# Altium PCB PS-010 Main.PcbDoc (part 2 of 2) (continued)
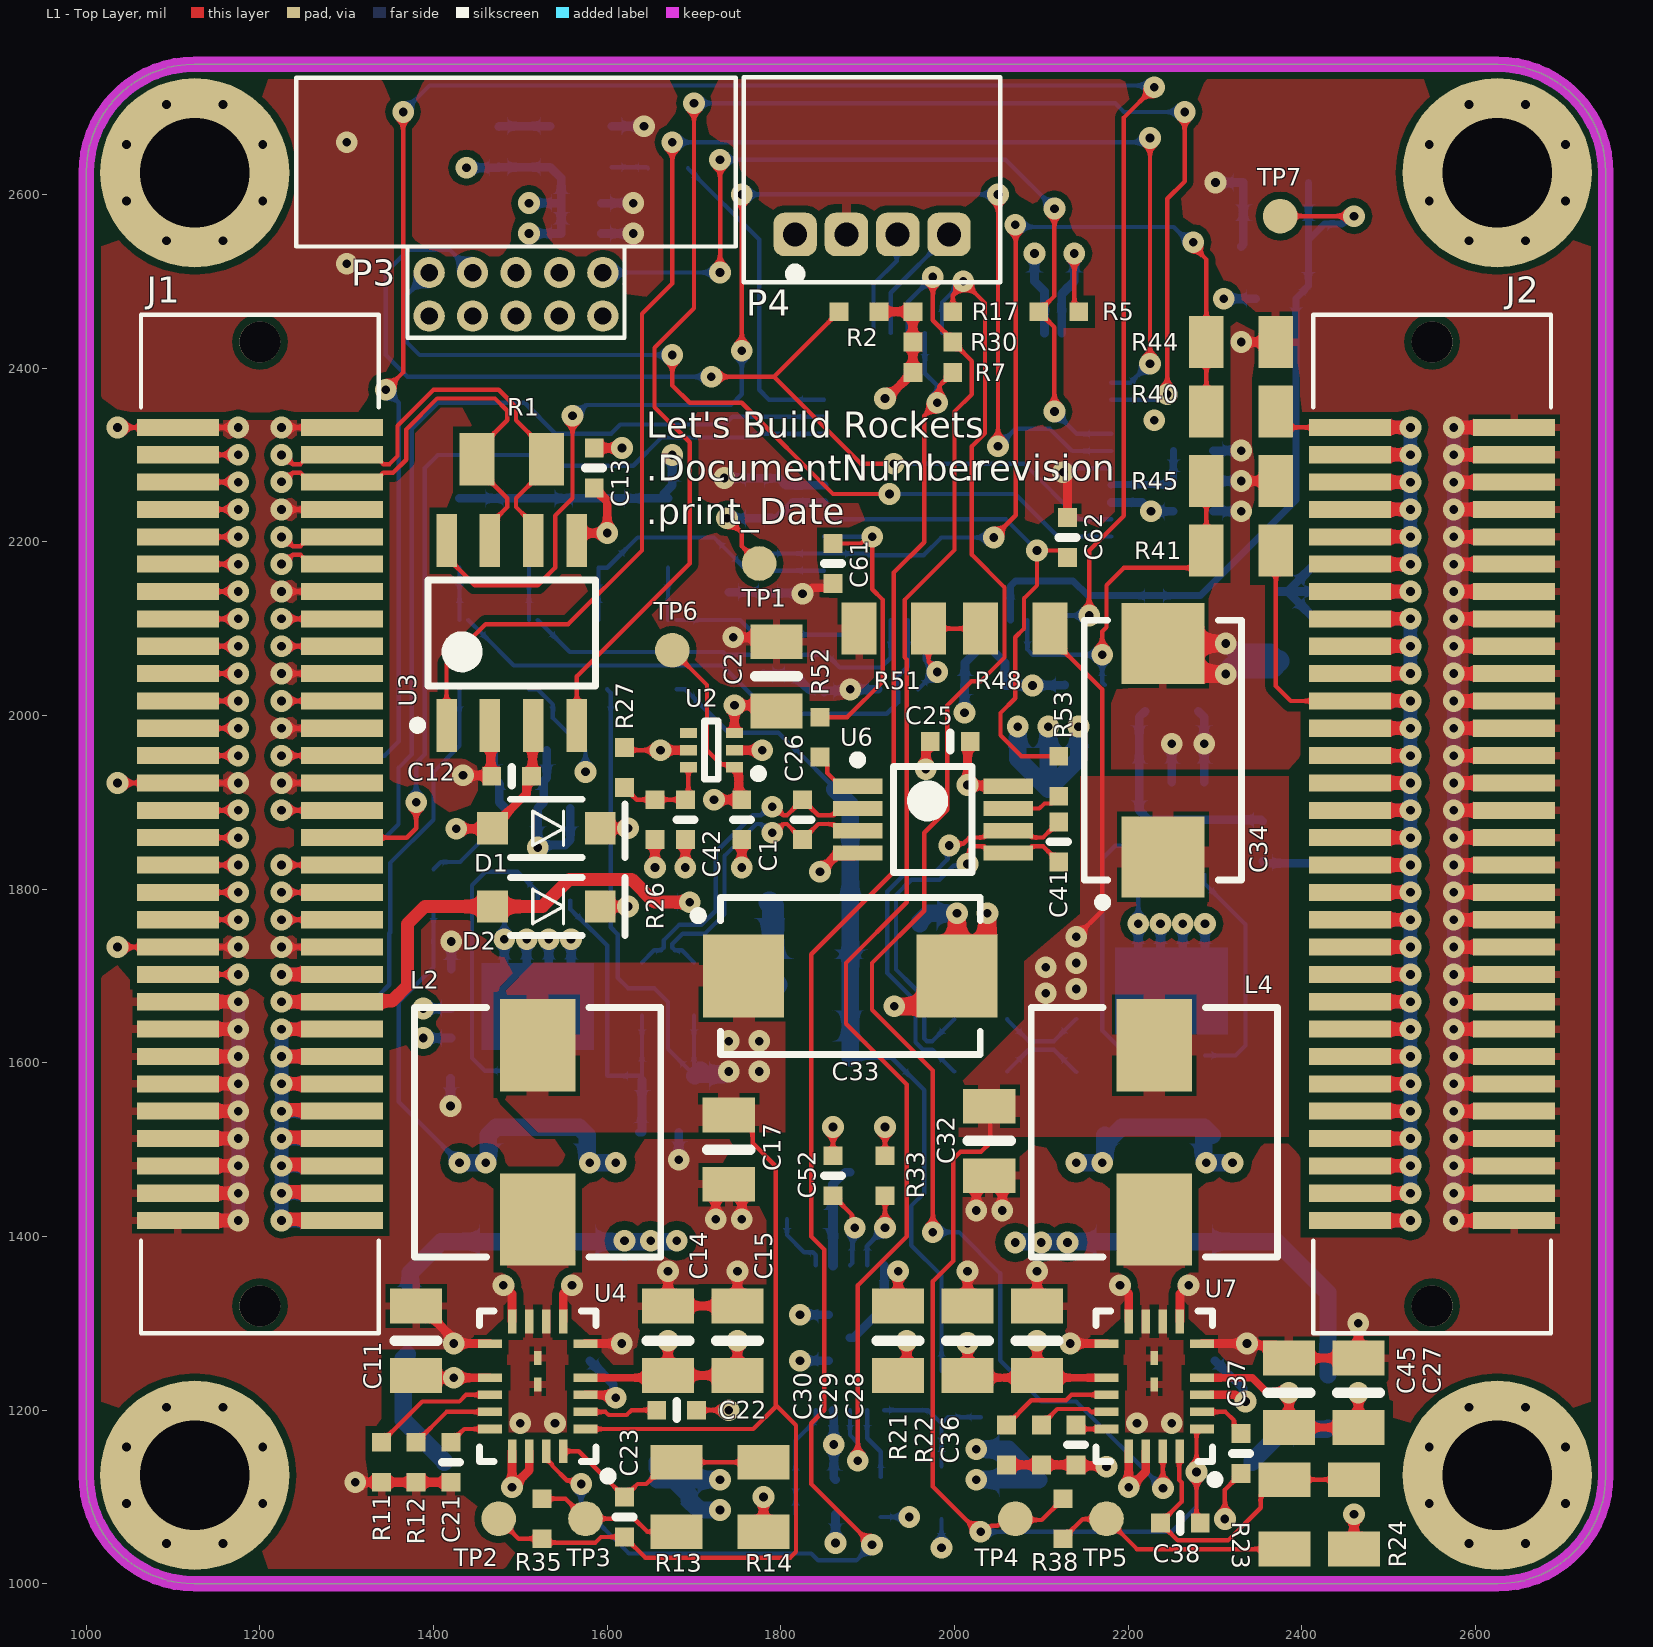
[diagram p0: L1 - Top Layer view]
## Nets (pads, with @x,y where several pads share a name; then routed paths per layer and width w, separated by ;. In a path a pad name is that pad's centre, name@x,y a point inside that pad or via, vN(x,y) a via of type N, cw(c..) or ccw(c..) an arc to the next point about the centre after c; other vN are vias at no path point) (continued)
  L1 - Top Layer w20: v1(1930.67,1665) C33.2@1967.83,1665 ; v1(2002.83,1772.17) C33.2@2002.83,1700 2037.83,1735 v1(2037.83,1772.17) ; v1(2312.17,2047.83) 2275,2047.83 C34.2@2240,2082.83 v1(2312.17,2082.83)
  L4 - Bottom Layer w5: C53.1@1915,1077 v1(1948,1077) ; v1(1985,1041.49) R28.1@1985,1074.49 ; v1(2125,2280) 2130.41,2280 2135.25,2284.84 U1.42@2180.35,2284.84
  L4 - Bottom Layer w10: v1(1419.49,1550.21) C20.2@1419.49,1582.21 ; C19.1@1420.51,1707.79 v1(1420.51,1739.79) ; R42.2@1430,2250 R43.2@1510,2250 R50.2@1590,2250 R49.2@1670,2250 1665,2255 1675,2265 v1(1675,2300) ; C24.1@1530.51,1960 1530.51,1928.27 1526.81,1924.57 1526.81,1899.96 U5.2@1520,1893.15 v1(1520,1848) 1522.87,1850.87 1551.54,1850.87 1557.4,1856.73 U5.3@1557.4,1893.15 ; C5.1@1593,2555 v1(1630,2555) ; C6.1@1593,2590 v1(1630,2590) ; X1.2@1605.43,2678.62 v1(1642.43,2678.62) ; v1(1682.49,1488.21) C18.2@1682.49,1520.21 ; v1(1734.8,2273.47) C3.1@1766.8,2273.47 ; C58.1@1740,2142 C55.1@1785,2142 1786,2141 1824,2141 v1(1825,2140) ; v1(1750,1360) 1750,1330 C49.2@1760,1320 ; C3.1@1770,2273 1797.74,2273 1805.59,2265.16 U1.18@1849.65,2265.16 ; C48.1@1780,2048 1780.5,2047.5 1814.5,2047.5 C57.1@1815,2047 1832.53,2029.47 1847.53,2029.47 C54.1@1850,2027 1851.5,2028.5 1878.5,2028.5 v1(1880,2030) C59.1@1912,2030 ; v1(1822,1256.89) U10.11@1855,1256.89 ; v1(1822,1310) U10.11@1855,1310 ; v1(1863,1047) R34.1@1863,1080 ; U10.11@1879.69,1283.44 1883.62,1283.44 1919.06,1318.88 U10.5@1919.06,1366.89 ; U1.5@2044.53,2109.65 2044.87,2109.3 2044.87,2073.95 2058,2060.83 C4.1@2058,2035 ; C4.1@2057.79,2034.49 v1(2089.79,2034.49) 2090.05,2034.74 2126.74,2034.74 C56.1@2127,2035 ; v1(2092,2532) C9.1@2092,2500 2103.58,2488.42 U1.35@2103.58,2440.35 ; U8.2@2250,1923.15 v1(2250,1967.4) ; C39.1@2280.51,2005 2287.4,1998.11 v1(2287.4,1967.4) U8.3@2287.4,1923.15 ; C10.1@2298,2235 v1(2330,2235) ; C8.1@2298,2270 v1(2330,2270) ; C7.1@2298,2305 v1(2330,2305) ; v1(2300.6,2613.66) U9.A@2332.6,2613.66 2332.6,2542.6 C40.1@2330,2540
  L4 - Bottom Layer w15: P1.59@1113.39,1418.31 v1(1175,1418.31) v1(1175,1449.8) ; P1.57@1113.39,1449.8 v1(1175,1449.8) ; P1.55@1113.39,1481.3 v1(1175,1481.3) ; P1.53@1113.39,1512.8 v1(1175,1512.8) ; P1.51@1113.39,1544.29 v1(1175,1544.29) ; P1.49@1113.39,1575.79 v1(1175,1575.79) ; P1.47@1113.39,1607.28 v1(1175,1607.28) ; P1.45@1113.39,1638.78 v1(1175,1638.78) ; P1.43@1113.39,1670.28 v1(1175,1670.28) v1(1175,1638.78) ; P2.60@2636.61,1418.31 v1(2575,1418.31) v1(2575,1449.8) ; P2.58@2636.61,1449.8 v1(2575,1449.8) ; P2.56@2636.61,1481.3 v1(2575,1481.3) ; P2.54@2636.61,1512.8 v1(2575,1512.8) ; P2.52@2636.61,1544.29 v1(2575,1544.29) ; P2.50@2636.61,1575.79 v1(2575,1575.79) ; P2.48@2636.61,1607.28 v1(2575,1607.28) ; P2.46@2636.61,1638.78 v1(2575,1638.78) ; P2.44@2636.61,1670.28 v1(2575,1670.28) ; P2.42@2636.61,1701.77 v1(2575,1701.77) ; P2.40@2636.61,1733.27 v1(2575,1733.27) ; P2.38@2636.61,1764.76 v1(2575,1764.76) ; P2.36@2636.61,1796.26 v1(2575,1796.26) ; P2.34@2636.61,1827.76 v1(2575,1827.76) ; P2.32@2636.61,1859.25 v1(2575,1859.25) ; P2.30@2636.61,1890.75 v1(2575,1890.75) ; P2.28@2636.61,1922.24 v1(2575,1922.24) ; P2.26@2636.61,1953.74 v1(2575,1953.74) ; P2.24@2636.61,1985.24 v1(2575,1985.24) ; P2.22@2636.61,2016.73 v1(2575,2016.73) ; P2.20@2636.61,2048.23 v1(2575,2048.23) ; P2.18@2636.61,2079.72 v1(2575,2079.72) ; P2.16@2636.61,2111.22 v1(2575,2111.22) ; P2.14@2636.61,2142.72 v1(2575,2142.72) ; P2.12@2636.61,2174.21 v1(2575,2174.21) ; P2.10@2636.61,2205.71 v1(2575,2205.71) ; P2.8@2636.61,2237.2 v1(2575,2237.2) ; P2.6@2636.61,2268.7 v1(2575,2268.7) ; P2.4@2636.61,2300.2 v1(2575,2300.2) ; P2.2@2636.61,2331.69 v1(2575,2331.69) v1(2575,2300.2) ; v1(1175,1449.8) v1(1175,1481.3) ; v1(1175,1481.3) v1(1175,1512.8) ; v1(1175,1512.8) v1(1175,1544.29) ; v1(1175,1544.29) v1(1175,1575.79) ; v1(1175,1575.79) v1(1175,1607.28) ; v1(1175,1607.28) v1(1175,1638.78) ; v1(2575,1449.8) v1(2575,1481.3) ; v1(2575,1481.3) v1(2575,1512.8) ; v1(2575,1512.8) v1(2575,1544.29) ; v1(2575,1544.29) v1(2575,1575.79) ; v1(2575,1575.79) v1(2575,1607.28) ; v1(2575,1607.28) v1(2575,1638.78) ; v1(2575,1638.78) v1(2575,1670.28) ; v1(2575,1670.28) v1(2575,1701.77) ; v1(2575,1701.77) v1(2575,1733.27) ; v1(2575,1733.27) v1(2575,1764.76) ; v1(2575,1764.76) v1(2575,1796.26) ; v1(2575,1796.26) v1(2575,1827.76) ; v1(2575,1827.76) v1(2575,1859.25) ; v1(2575,1859.25) v1(2575,1890.75) ; v1(2575,1890.75) v1(2575,1922.24) ; v1(2575,1922.24) v1(2575,1953.74) ; v1(2575,1953.74) v1(2575,1985.24) ; v1(2575,1985.24) v1(2575,2016.73) ; v1(2575,2016.73) v1(2575,2048.23) ; v1(2575,2048.23) v1(2575,2079.72) ; v1(2575,2079.72) v1(2575,2111.22) ; v1(2575,2111.22) v1(2575,2142.72) ; v1(2575,2142.72) v1(2575,2174.21) ; v1(2575,2174.21) v1(2575,2205.71) ; v1(2575,2205.71) v1(2575,2237.2) ; v1(2575,2237.2) v1(2575,2268.7) ; v1(2575,2268.7) v1(2575,2300.2)
  L4 - Bottom Layer w20: C43.2@1657.83,1120 v1(1730,1120) ; C43.2@1657.83,1140 1657.83,1133.37 1664.52,1126.68 1669.97,1126.68 1694.49,1102.17 1694.49,1096.72 1706.2,1085 v1(1730,1085) ; C51.2@1960,1760 1960,1762.17 1970,1772.17 v1(2002.83,1772.17) ; v1(2025,1120) 2097.17,1120 2062.17,1155 v1(2025,1155) ; v1(2072.83,1987.17) 2072.83,1950 C35.2@2107.83,1915 ; v1(2107.83,1987.17) C35.2@2107.83,1915 ; v1(2142.83,1987.17) 2142.83,1950 C35.2@2107.83,1915 ; v1(2312.17,2082.83) 2313.52,2082.83 2323.64,2072.72 2363.39,2072.72 C47.2@2373.39,2062.72
  L4 - Bottom Layer w25: v1(2312.17,2047.83) 2319.55,2055.22 2365.89,2055.22 C47.2@2373.39,2062.72
  other v1: 2230,2340 1300,2520 1300,2660
I2C_SCL: J1.18 P1.18 | length 131.1
  L1 - Top Layer w5: v1(1225,2079.72) J1.18@1294.49,2079.72
  L4 - Bottom Layer w5: v1(1225,2079.72) P1.18@1286.61,2079.72
I2C_SDA: J1.16 P1.16 | length 131.1
  L1 - Top Layer w5: v1(1225,2111.22) J1.16@1294.49,2111.22
  L4 - Bottom Layer w5: v1(1225,2111.22) P1.16@1286.61,2111.22
NetC16_1: C16.1 U4.3 | length 91.3
  L1 - Top Layer w10: U4.3@1575.12,1217.68 1575.2,1217.6 1602.7,1217.6 1605.94,1214.36 v1(1610,1214.36)
  L4 - Bottom Layer w10: C16.1@1580,1257 1607.13,1229.87 1607.13,1217.23 v1(1610,1214.36)
NetC16_2: C16.2 L2.1 U4.8 U4.9 U4.21 U4.22
  other v1: 1500,1185 1540,1185
NetC18_1: C18.1 Q1.S R8.2 R10.2 U5.4 | length 392.2
  L4 - Bottom Layer w5: U5.4@1557.4,1786.85 1557.4,1777.01 1566.71,1767.7 1567.3,1767.7 1600,1735 1600,1585.28 1600.28,1585 R8.2@1640,1585 R10.2@1640,1654.49
  L4 - Bottom Layer w10: C18.1@1637,1520 1640,1520 R8.2@1640,1580
NetC21_2: C21.2 U4.16 | length 51.2
  L1 - Top Layer w5: C21.2@1420,1163 1435.31,1178.31 U4.16@1464.88,1178.31
NetC22_2: C22.2 U4.2 | length 85.7
  L1 - Top Layer w5: U4.2@1575.12,1197.99 1598.09,1197.99 1601.72,1194.36 1622.38,1194.36 1628.01,1200 C22.2@1657,1200
NetC24_2: C24.2 R15.1 U5.1 | length 189.7
  L4 - Bottom Layer w5: R15.1@1400,1823 1408.33,1831.33 1430.62,1831.33 1482.6,1883.31 U5.1@1482.6,1893.15
  L4 - Bottom Layer w10: C24.2@1469.49,1960 1469.49,1928.27 1475.79,1921.97 1475.79,1899.96 U5.1@1482.6,1893.15
NetC31_1: C31.1 U7.3 | length 104.6
  L1 - Top Layer w10: U7.3@2295.12,1217.68 2323.26,1217.68 2330.94,1210 v1(2335,1210)
  L4 - Bottom Layer w10: C31.1@2300,1257 2332.13,1224.87 2332.13,1212.87 v1(2335,1210)
NetC31_2: C31.2 L4.1 U7.8 U7.9 U7.21 U7.22
  other v1: 2210,1185 2250,1185
NetC36_2: C36.2 U7.16 | length 36.8
  L1 - Top Layer w5: C36.2@2140,1183 2144.69,1178.31 U7.16@2174.88,1178.31
NetC37_2: C37.2 U7.2 | length 49.3
  L1 - Top Layer w5: U7.2@2295.12,1197.99 2312.01,1197.99 2321.67,1188.33 2321.67,1181.33 C37.2@2330,1173
NetC39_2: C39.2 R25.1 U8.1 | length 264.8
  L4 - Bottom Layer w10: C39.2@2219.49,2005 2212.6,1998.11 2212.6,1890.81 2223.4,1880 2353,1880 R25.1@2355,1878
NetC42_1: C42.1 R26.1 R27.2 U2.6 | length 114.5
  L1 - Top Layer w5: R27.2@1620,1917 1634,1903 R26.1@1655,1903 C42.1@1690,1903 1693.43,1906.43 U2.6@1693.43,1940.32
NetC43_1: C43.1 R6.1 | length 146.1
  L4 - Bottom Layer w20: R6.1@1370,1264.49 1365,1259.49 1365,1188.35 1412.17,1141.18 C43.1@1412.17,1140
NetC44_1: C44.1 R29.1 | length 104.2
  L4 - Bottom Layer w20: C44.1@2342.83,1140 2342.83,1141.18 2379.49,1177.83 2428.35,1177.83 R29.1@2430,1179.49
NetC50_1: C50.1 U10.1 | length 72.8
  L4 - Bottom Layer w5: C50.1@1807,1420 1807,1401.67 1826.78,1381.89 1836.81,1381.89 1840.32,1378.39 U10.1@1840.32,1366.89
NetC50_2: C50.2 L5.1 U10.2 | length 118.8
  L4 - Bottom Layer w10: L5.1@1860,1459.76 1874.29,1474.06 L5.1@1880,1474.06
  L4 - Bottom Layer w12: U10.2@1860,1366.89 L5.1@1860,1459.76
NetC52_2: C52.2 U10.3 | length 92.7
  L1 - Top Layer w5: C52.2@1860,1447 1881.86,1425.14 1881.86,1413.14 v1(1885,1410)
  L4 - Bottom Layer w5: U10.3@1879.69,1366.89 1882.34,1369.55 1882.34,1407.34 v1(1885,1410)
NetC53_2: C53.2 U10.7 | length 83.5
  L4 - Bottom Layer w5: U10.7@1899.37,1200 1899.37,1167.73 1915,1152.1 C53.2@1915,1123
NetQ1_G: Q1.G U5.5 | length 343.7
  L4 - Bottom Layer w5: Q1.G@1481.61,1590.79 1459.21,1590.79 1444.39,1605.61 1444.39,1804.39 1460,1820 1496.69,1820 1520,1796.69 U5.5@1520,1786.85
NetQ2_G: Q2.G U8.5 | length 359.8
  L4 - Bottom Layer w5: Q2.G@2211.61,1608.5 2211.61,1613.23 2205.85,1619 2188.11,1619 2170,1637.11 2170,1835 2185,1850 2226.69,1850 2250,1826.69 U8.5@2250,1816.85
NetQ2_S: Q2.S R18.2 R20.2 U8.4 | length 368.4
  L4 - Bottom Layer w5: R20.2@2060.51,1590 2085.51,1615 2114.49,1615 R18.2@2140,1589.49 ; U8.4@2287.4,1816.85 2287.4,1807.01 2335,1759.41 2335,1620 2323.5,1608.5 Q2.S@2288.39,1608.5
NetR3_1: R3.1 X1.3 | length 42.1
  L4 - Bottom Layer w5: X1.3@1605.43,2631.38 1645.62,2631.38 R3.1@1647,2630
NetR4_1: R4.1 X1.1 | length 59.8
  L4 - Bottom Layer w10: R4.1@1475,2678 1475.62,2678.62 X1.1@1534.57,2678.62
NetR12_2: R12.2 U4.15 | length 99.4
  L1 - Top Layer w5: R12.2@1380,1163 1414.99,1197.99 U4.15@1464.88,1197.99
NetR13_2: R13.2 R35.1 TP3.1 | length 190.7
  L1 - Top Layer w5: R35.1@1525,1098 1552,1098 TP3.1@1575,1075 1631.26,1075 1646.26,1060 R13.2@1700,1060
NetR22_2: R22.2 U7.15 | length 93.9
  L1 - Top Layer w5: R22.2@2100,1183 2118.33,1201.33 2153.93,1201.33 2157.27,1197.99 U7.15@2184.88,1197.99
NetR23_2: R23.2 R38.1 TP5.1 | length 279
  L1 - Top Layer w5: R38.1@2125,1052 2147.5,1074.5 2174.5,1074.5 TP5.1@2175,1075 2210,1040 R23.2@2380,1040
NetR33_2: R33.2 U10.4 | length 78.7
  L1 - Top Layer w5: v1(1920,1410) R33.2@1920,1437
  L4 - Bottom Layer w5: U10.4@1899.37,1366.89 1899.37,1389.37 v1(1920,1410)
NetR52_2: R52.2 U6.1 | length 63.1
  L1 - Top Layer w5: R52.2@1845,1952 1853.33,1943.67 1853.33,1933.76 1868.7,1918.39 U6.1@1888.39,1918.39
NetR53_2: R53.2 U6.7 | length 64.3
  L1 - Top Layer w5: U6.7@2061.61,1892.8 2097.66,1892.8 2103.54,1898.67 2111.67,1898.67 R53.2@2120,1907
P_GOOD: J1.30 P1.30 | length 131.1
  L1 - Top Layer w5: v1(1225,1890.75) J1.30@1294.49,1890.75
  L4 - Bottom Layer w5: v1(1225,1890.75) P1.30@1286.61,1890.75
PPS: J1.22 P1.22 | length 131.1
  L1 - Top Layer w5: v1(1225,2016.73) J1.22@1294.49,2016.73
  L4 - Bottom Layer w5: v1(1225,2016.73) P1.22@1286.61,2016.73
QSPI_CLK: J1.29 P1.29 | length 131.1
  L1 - Top Layer w5: J1.29@1105.51,1890.75 v1(1175,1890.75)
  L4 - Bottom Layer w5: P1.29@1113.39,1890.75 v1(1175,1890.75)
QSPI_IO0: J1.31 P1.31 | length 131.1
  L1 - Top Layer w5: J1.31@1105.51,1859.25 v1(1175,1859.25)
  L4 - Bottom Layer w5: P1.31@1113.39,1859.25 v1(1175,1859.25)
QSPI_IO1: J1.33 P1.33 | length 131.1
  L1 - Top Layer w5: J1.33@1105.51,1827.76 v1(1175,1827.76)
  L4 - Bottom Layer w5: P1.33@1113.39,1827.76 v1(1175,1827.76)
QSPI_IO2: J1.35 P1.35 | length 131.1
  L1 - Top Layer w5: J1.35@1105.51,1796.26 v1(1175,1796.26)
  L4 - Bottom Layer w5: P1.35@1113.39,1796.26 v1(1175,1796.26)
QSPI_IO3: J1.37 P1.37 | length 131.1
  L1 - Top Layer w5: J1.37@1105.51,1764.76 v1(1175,1764.76)
  L4 - Bottom Layer w5: P1.37@1113.39,1764.76 v1(1175,1764.76)
RESET: P3.10 R5.1 U1.40 | length 998
  L1 - Top Layer w5: v1(1730,2510) v1(1730,2640) ; v1(2115,2350) 2115,2447 R5.1@2097,2465 2115,2483 v1(2115,2583.67)
  L4 - Bottom Layer w5: P3.10@1595,2510 v1(1730,2510) ; v1(1730,2640) 2058.67,2640 v1(2115,2583.67) ; v1(2115,2350) 2140.79,2324.21 U1.40@2180.35,2324.21
RFU_3: J1.3 P1.3 | length 131.1
  L1 - Top Layer w5: J1.3@1105.51,2300.2 v1(1175,2300.2)
  L4 - Bottom Layer w5: P1.3@1113.39,2300.2 v1(1175,2300.2)
RFU_5: J1.5 P1.5 | length 131.1
  L1 - Top Layer w5: J1.5@1105.51,2268.7 v1(1175,2268.7)
  L4 - Bottom Layer w5: P1.5@1113.39,2268.7 v1(1175,2268.7)
RFU_7: J1.7 P1.7 | length 131.1
  L1 - Top Layer w5: J1.7@1105.51,2237.2 v1(1175,2237.2)
  L4 - Bottom Layer w5: P1.7@1113.39,2237.2 v1(1175,2237.2)
RFU_9: J1.9 P1.9 | length 131.1
  L1 - Top Layer w5: J1.9@1105.51,2205.71 v1(1175,2205.71)
  L4 - Bottom Layer w5: P1.9@1113.39,2205.71 v1(1175,2205.71)
RFU_11: J1.11 P1.11 | length 131.1
  L1 - Top Layer w5: J1.11@1105.51,2174.21 v1(1175,2174.21)
  L4 - Bottom Layer w5: P1.11@1113.39,2174.21 v1(1175,2174.21)
RFU_13: J1.13 P1.13 | length 131.1
  L1 - Top Layer w5: J1.13@1105.51,2142.72 v1(1175,2142.72)
  L4 - Bottom Layer w5: P1.13@1113.39,2142.72 v1(1175,2142.72)
RFU_15: J1.15 P1.15 | length 131.1
  L1 - Top Layer w5: J1.15@1105.51,2111.22 v1(1175,2111.22)
  L4 - Bottom Layer w5: P1.15@1113.39,2111.22 v1(1175,2111.22)
RFU_17: J1.17 P1.17 | length 131.1
  L1 - Top Layer w5: J1.17@1105.51,2079.72 v1(1175,2079.72)
  L4 - Bottom Layer w5: P1.17@1113.39,2079.72 v1(1175,2079.72)
RFU_19: J1.19 P1.19 | length 131.1
  L1 - Top Layer w5: J1.19@1105.51,2048.23 v1(1175,2048.23)
  L4 - Bottom Layer w5: P1.19@1113.39,2048.23 v1(1175,2048.23)
RFU_21: J1.21 P1.21 | length 131.1
  L1 - Top Layer w5: J1.21@1105.51,2016.73 v1(1175,2016.73)
  L4 - Bottom Layer w5: P1.21@1113.39,2016.73 v1(1175,2016.73)
RFU_23: J1.23 P1.23 | length 131.1
  L1 - Top Layer w5: J1.23@1105.51,1985.24 v1(1175,1985.24)
  L4 - Bottom Layer w5: P1.23@1113.39,1985.24 v1(1175,1985.24)
RFU_25: J1.25 P1.25 | length 131.1
  L1 - Top Layer w5: J1.25@1105.51,1953.74 v1(1175,1953.74)
  L4 - Bottom Layer w5: P1.25@1113.39,1953.74 v1(1175,1953.74)
SWCLK: P3.4 R2.1 U1.45 | length 1236.3
  L1 - Top Layer w5: v1(1720,2390) 1790,2390 1792,2390 ; R2.1@1867,2465 1792,2390 ; v1(1930,2290) 1892,2290 1792,2390
  L4 - Bottom Layer w5: P3.4@1445,2510 1419,2536 1371,2536 1345,2510 1345,2415 1370,2390 v1(1720,2390) ; v1(1930,2290) 2080,2290 2144.21,2225.79 U1.45@2180.35,2225.79
SWDIO: P3.2 U1.46 | length 1015.4
  L1 - Top Layer w5: v1(1675,2415) 1675,2380 1695,2360 1755,2360 1860,2255 v1(1925,2255)
  L4 - Bottom Layer w5: P3.2@1395,2510 1369,2484 1369,2430 1384,2415 v1(1675,2415) ; v1(1925,2255) 2070,2255 2118.9,2206.1 U1.46@2180.35,2206.1
SYNC_0: J1.41 P1.41 | length 131.1
  L1 - Top Layer w5: J1.41@1105.51,1701.77 v1(1175,1701.77)
  L4 - Bottom Layer w5: P1.41@1113.39,1701.77 v1(1175,1701.77)
VDDCORE: C7.2 C8.2 U1.43 | length 108.7
  L4 - Bottom Layer w8: U1.43@2180.35,2265.16 2181.08,2265.89 2247.89,2265.89 C8.2@2252,2270 C7.2@2252,2305
XTAL: R3.2 U1.23 | length 368.3
  L4 - Bottom Layer w5: R3.2@1693,2630 1775,2548 1775,2375 1786.42,2363.58 U1.23@1849.65,2363.58
pads on no net: J1.M1 J2.M1 P1.M2 P2.M2 P3.6 P3.7 P3.8 U1.2 U1.7 U1.8 U1.19 U1.20 U1.24 U1.30 U1.31 U1.32 U1.33 U1.34 U1.39 U1.47 U1.48 U2.4 U9.NC

## Polygon pours and split planes (outlines as drawn)
GND on L1 - Top Layer "Top Layer-GND" (solid, remove dead copper, pour order 18): 1000,2750 2750,2750 2750,1000 1000,1000
DRAIN on L1 - Top Layer "Top Layer-DRAIN" (solid, remove dead copper, pour order 8): 1105.51,2340 1294.49,2340 1294.49,1720 1105.51,1720
+12V_INT on L1 - Top Layer "+12V_INT_L01_P014" (solid, pour order 14): 2080,1650 2080,1716.92 2145,1771.92 2145,1930 2385,1930 2385,1515 2005,1515 2005,1575
+5V_INT on L1 - Top Layer "+5V_INT_L01_P013" (solid, pour order 13): 1475,1675 1515,1715 1805,1715 1805,1520 1520,1520 1475,1565
NetC31_2 on L1 - Top Layer "NETC31_2_L01_P011" (solid, remove dead copper, pour order 11): 2265,1170 2265,1470 2195,1470 2195,1170
NetC16_2 on L1 - Top Layer "NETC16_2_L01_P009" (solid, remove dead copper, pour order 9): 1555,1170 1555,1470 1485,1470 1485,1170
GND on L4 - Bottom Layer "Bottom Layer-GND" (solid, remove dead copper, pour order 21): 2750,2750 1000,2750 1000,1000 2750,1000
NetC31_2 on L4 - Bottom Layer "NETC31_2_L04_P020" (solid, pour order 20): 2130,1360 2425,1360 2425,1140 2130,1140
NetC16_2 on L4 - Bottom Layer "NETC16_2_L04_P019" (solid, pour order 19): 1420,1360 1620,1360 1620,1140 1420,1140
NetQ2_S on L4 - Bottom Layer "NETQ2_S_L04_P015" (solid, pour order 15): 2090,1605 2195,1605 2210,1620 2300,1620 2300,1550 2090,1550
DRAIN on L4 - Bottom Layer "Bottom Layer-DRAIN" (solid, remove dead copper, pour order 7): 1294.49,2340 1105.51,2340 1105.51,1720 1294.49,1720
+12V_INT on L4 - Bottom Layer "+12V_INT_L04_P017" (solid, pour order 17): 2090,1760 2155,1760 2155,1635 2090,1635
NetC18_1 on L4 - Bottom Layer "NETC18_1_L04_P016" (solid, pour order 16): 1495,1600 1495,1545 1670,1545 1670,1600
+5V_INT on L4 - Bottom Layer "+5V_INT_L04_P010" (solid, pour order 10): 1725,1640 1790,1640 1790,1570 1725,1570
GND on L2 - GND (split plane): 2634.15,2729.6 2643.23,2728.4 2652.18,2726.42 2660.91,2723.67 2669.38,2720.16 2677.5,2715.93 2685.23,2711.01 2692.49,2705.43 2699.25,2699.25 2705.43,2692.49 2711.01,2685.23 2715.93,2677.5 2720.16,2669.38 2723.67,2660.91 2726.42,2652.18 2728.4,2643.23 2729.6,2634.15 2729.97,2625.68 2729.9,2625 2729.9,1125 2729.97,1124.32 2729.6,1115.85 2728.4,1106.76 2726.42,1097.82 2723.67,1089.09 2720.16,1080.62 2715.93,1072.5 2711.01,1064.77 2705.44,1057.51 2699.25,1050.75 2692.49,1044.56 2685.23,1038.99 2677.5,1034.07 2669.38,1029.84 2660.91,1026.33 2652.18,1023.58 2643.24,1021.6 2634.15,1020.4 2625.68,1020.03 2625,1020.1 1125,1020.1 1124.32,1020.03 1115.85,1020.4 1106.77,1021.6 1097.82,1023.58 1089.09,1026.33 1080.62,1029.84 1072.5,1034.07 1064.77,1038.99 1057.51,1044.57 1050.75,1050.75 1044.57,1057.51 1038.99,1064.77 1034.07,1072.5 1029.84,1080.62 1026.33,1089.09 1023.58,1097.82 1021.6,1106.77 1020.4,1115.85 1020.03,1124.32 1020.1,1125 1020.1,2625 1020.03,2625.68 1020.4,2634.15 1021.6,2643.23 1023.58,2652.18 1026.33,2660.91 1029.84,2669.37 1034.07,2677.5 1038.99,2685.22 1044.57,2692.49 1050.75,2699.24 1057.51,2705.43 1064.77,2711.01 1072.5,2715.93 1080.62,2720.16 1089.09,2723.67 1097.82,2726.42 1106.77,2728.4 1115.85,2729.6 1124.33,2729.97 1125,2729.9 1125.02,2729.9 2625,2729.9 2625.68,2729.97
+12V on L3 - PWR (split plane): 2684.9,2447.89 2684.9,2040.2 2665.1,2040.2 2664.61,2040.1 2515,2040.1 2513.05,2039.71 2511.4,2038.6 2356.4,1883.6 2355.29,1881.95 2354.9,1880 2354.9,1652.11 2317.89,1615.1 2170.1,1615.1 2170.1,1967.89 2408.6,2206.4 2409.71,2208.05 2410.1,2210 2410.1,2402.89 2570,2562.79
+VBAT on L3 - PWR (split plane): 2684.9,1302.11 2570,1187.21 2328.6,1428.6 2326.95,1429.71 2325,1430.1 1395.1,1430.1 1395.1,1604.9 2320,1604.9 2321.95,1605.29 2323.6,1606.4 2363.6,1646.4 2364.71,1648.05 2365.1,1650 2365.1,1877.89 2517.11,2029.9 2665,2029.9 2665.49,2030 2684.9,2030
+4.5V_INT on L3 - PWR (split plane): 2159.9,1615.1 1610.1,1615.1 1610.1,1964.9 2159.9,1964.9
NetC31_2 on L3 - PWR (split plane): 2541.4,1201.4 2562.79,1180 2447.89,1065.1 1910.1,1065.1 1910.1,1209.9 2262.89,1209.9 2316.4,1156.4 2318.05,1155.29 2320,1154.9 2470,1154.9 2471.95,1155.29 2473.6,1156.4 2530,1212.79
+VBAT_FILT_B on L3 - PWR (split plane): 2522.79,1220 2467.89,1165.1 2322.11,1165.1 2268.6,1218.6 2266.95,1219.71 2265,1220.1 1910.1,1220.1 1910.1,1419.9 2322.89,1419.9
+3.3V on L3 - PWR (split plane): 2539.9,2595 2540.29,2593.05 2541.4,2591.4 2562.79,2570 2401.4,2408.6 2400.29,2406.95 2399.9,2405 2399.9,2212.11 2162.89,1975.1 1620,1975.1 1605,1975.1 1065.1,1975.1 1065.1,2447.89 1208.6,2591.4 1209.71,2593.05 1210.1,2595 1210.1,2729.9 2539.9,2729.9
+VBAT_FILT_A on L3 - PWR (split plane): 1899.9,1065.1 1705.1,1065.1 1705.1,1080 1704.71,1081.95 1703.6,1083.6 1563.6,1223.6 1561.95,1224.71 1560,1225.1 1480,1225.1 1478.05,1224.71 1476.4,1223.6 1437.89,1185.1 1382.11,1185.1 1287.21,1280 1393.6,1386.4 1394.71,1388.05 1395.1,1390 1395.1,1419.9 1899.9,1419.9
+5V on L3 - PWR (split plane): 1599.9,1615.1 1390,1615.1 1388.05,1614.71 1386.4,1613.6 1385.29,1611.95 1384.9,1610 1384.9,1392.11 1180,1187.21 1065.1,1302.11 1065.1,1964.9 1599.9,1964.9
DRAIN on L3 - PWR (split plane): 2634.15,2729.6 2643.23,2728.4 2652.18,2726.42 2660.91,2723.67 2669.38,2720.16 2677.5,2715.93 2685.23,2711.01 2692.49,2705.43 2699.25,2699.25 2705.43,2692.49 2711.01,2685.23 2715.93,2677.5 2720.16,2669.38 2723.67,2660.91 2726.42,2652.18 2728.4,2643.23 2729.6,2634.15 2729.97,2625.68 2729.9,2625 2729.9,1125 2729.97,1124.32 2729.6,1115.85 2728.4,1106.76 2726.42,1097.82 2723.67,1089.09 2720.16,1080.62 2715.93,1072.5 2711.01,1064.77 2705.44,1057.51 2699.25,1050.75 2692.49,1044.56 2685.23,1038.99 2677.5,1034.07 2669.38,1029.84 2660.91,1026.33 2652.18,1023.58 2643.24,1021.6 2634.15,1020.4 2625.68,1020.03 2625,1020.1 1125,1020.1 1124.32,1020.03 1115.85,1020.4 1106.77,1021.6 1097.82,1023.58 1089.09,1026.33 1080.62,1029.84 1072.5,1034.07 1064.77,1038.99 1057.51,1044.57 1050.75,1050.75 1044.57,1057.51 1038.99,1064.77 1034.07,1072.5 1029.84,1080.62 1026.33,1089.09 1023.58,1097.82 1021.6,1106.77 1020.4,1115.85 1020.03,1124.32 1020.1,1125 1020.1,2625 1020.03,2625.68 1020.4,2634.15 1021.6,2643.23 1023.58,2652.18 1026.33,2660.91 1029.84,2669.37 1034.07,2677.5 1038.99,2685.22 1044.57,2692.49 1050.75,2699.24 1057.51,2705.43 1064.77,2711.01 1072.5,2715.93 1080.62,2720.16 1089.09,2723.67 1097.82,2726.42 1106.77,2728.4 1115.85,2729.6 1124.33,2729.97 1125,2729.9 1125.02,2729.9 1199.9,2729.9 1199.9,2597.11 1056.4,2453.6 1055.29,2451.95 1054.9,2450 1054.9,1970 1054.9,1940 1054.9,1300 1055.29,1298.05 1056.4,1296.4 1296.4,1056.4 1298.05,1055.29 1300,1054.9 1899.9,1054.9 1899.9,1050 1900.29,1048.05 1901.4,1046.4 1903.05,1045.29 1905,1044.9 1906.95,1045.29 1908.6,1046.4 1909.71,1048.05 1910.1,1050 1910.1,1054.9 2450,1054.9 2451.95,1055.29 2453.6,1056.4 2693.6,1296.4 2694.71,1298.05 2695.1,1300 2695.1,2450 2694.71,2451.95 2693.6,2453.6 2550.1,2597.11 2550.1,2729.9 2625,2729.9 2625.68,2729.97
NetC16_2 on L3 - PWR (split plane): 1376.4,1176.4 1378.05,1175.29 1380,1174.9 1440,1174.9 1441.95,1175.29 1443.6,1176.4 1482.11,1214.9 1557.89,1214.9 1694.9,1077.89 1694.9,1065.1 1302.11,1065.1 1187.21,1180 1280,1272.79

## Keep-outs
Keep-Out Layer:
  the board outline again, w18

## Other copper
L1 - Top Layer:
  rectangle net DRAIN: 1105.51,2331.69 1294.49,2331.69
  pour cut-out: 1211.66,2345.03 1188.34,2345.03 1188.34,2349 1211.66,2349
  pour cut-out: 1188.34,1719.93 1211.66,1719.93 1211.66,1715.96 1188.34,1715.96
L4 - Bottom Layer:
  rectangle net +12V: 2185,1632.72 2315,1732.72
  rectangle net +5V: 1455,1615 1585,1715
  pour cut-out: 1211.66,1719.93 1188.34,1719.93 1188.34,1715.96 1211.66,1715.96
  pour cut-out: 1188.34,2345.03 1211.66,2345.03 1211.66,2349 1188.34,2349
L3 - PWR (plane layer: these items are gaps in the copper):
  lines w10: 1000,1960 1010,1970 ; 1060,1940 1060,1970 2165,1970 ; 1180,1180 1390,1390 1390,1610 1605,1610 1605,1970 1620,1970 ; 1205,2745 1205,2595 1060,2450 1060,1300 1300,1060 2450,1060 2690,1300 2690,2450 2545,2595 2545,2745 ; 1280,1280 1380,1180 1440,1180 1480,1220 1560,1220 1700,1080 1700,1060 1680,1060 1660,1060 ; 1390,1425 1905,1425 ; 1599.9,1610 2165,1610 ; 1905,1215 2265,1215 2320,1160 2470,1160 2530,1220 2545,1205 ; 1920,1060 1905,1060 1905,1050 1905,1425 ; 2570,1180 2325,1425 1905,1425 ; 2570,2570 2405,2405 2405,2210 2165,1970 ; 2684.9,2035.1 2665.1,2035.1 2665,2035 2515,2035 2360,1880 2360,1650 2320,1610 2165,1610 ; 2165,1610 2165,1970

## Silkscreen, mask and mechanical layers (free items; w line width, h text height)
Top Overlay:
  text "Let's Build Rockets" at 1645,2320 h30
  text ".DocumentNumber" at 1645,2270 h30
  text ".revision" at 2010,2270 h30
  text ".print_Date" at 1645,2220 h30
Outline:
  the board outline again, w5